# KiCad board ZIN70 Nixie Clock-rounded.kicad_pcb
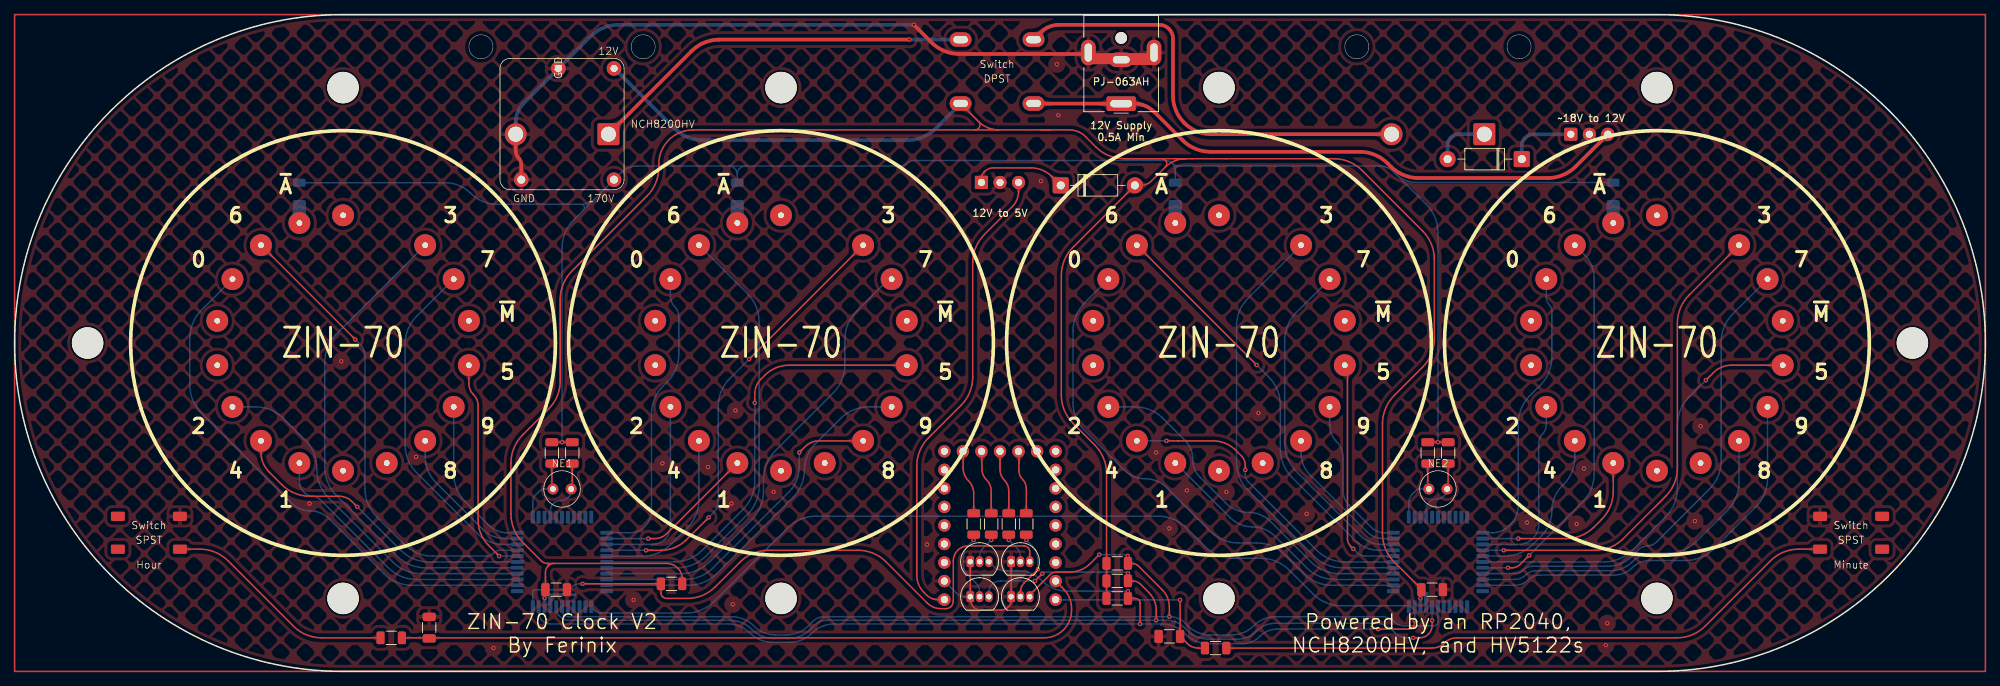
[diagram p0: board, top side]
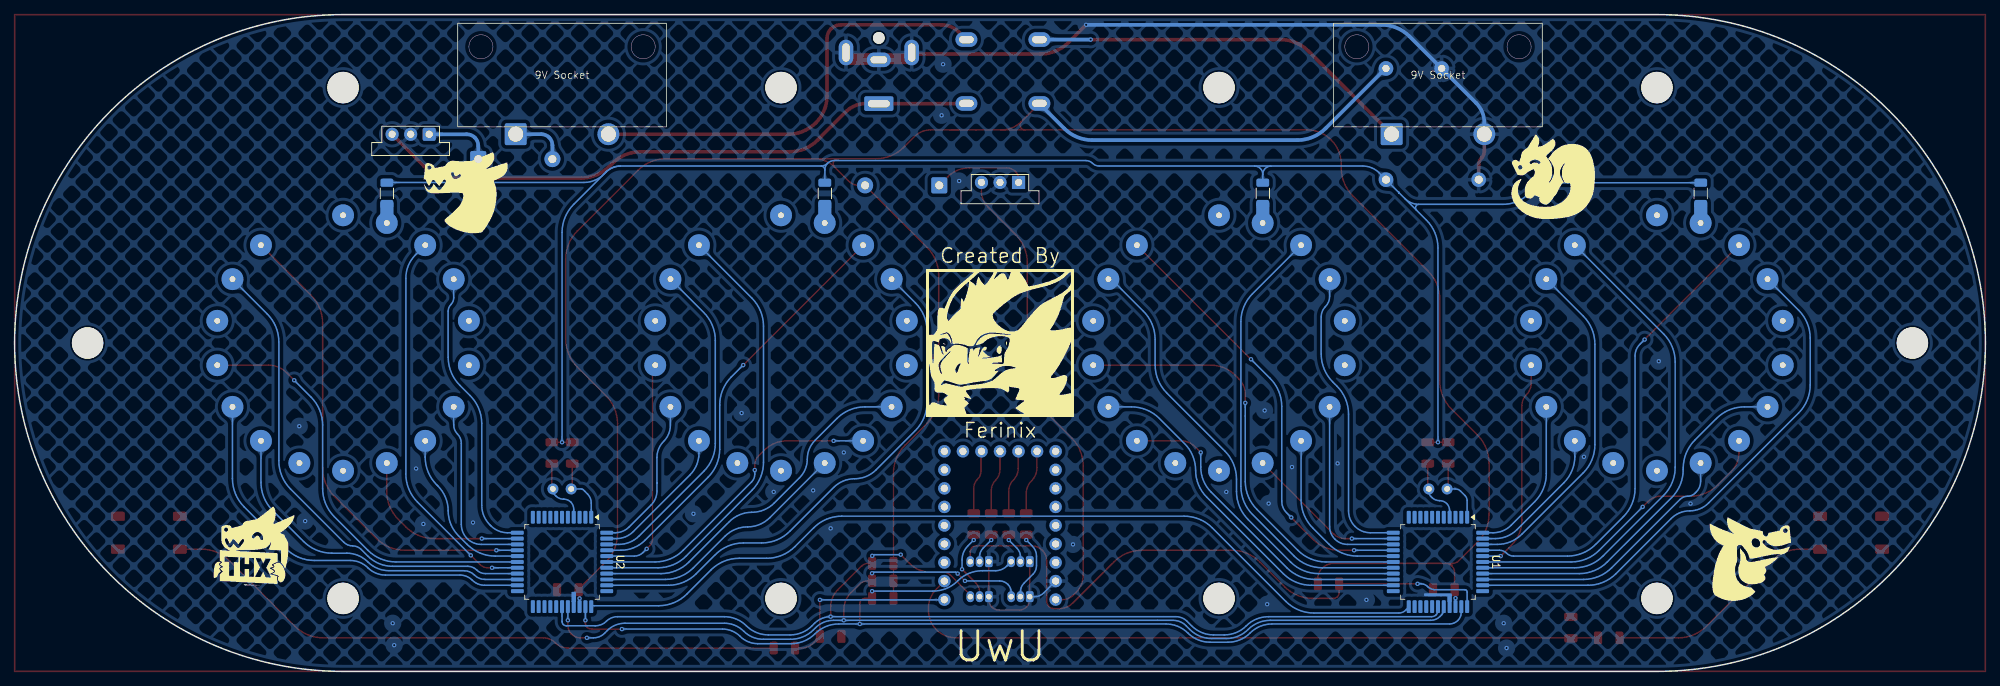
[diagram p1: board, bottom side, seen from below]

Outline 270 x 90 mm; copper layers: Top, Bottom. Coordinates in mm from the lower left corner of the outline.
Outline path: 0,45 arc(13.18,76.82) 45,90 225,90 arc(256.82,76.82) 270,45 arc(256.82,13.18) 225,0 45,0 arc(13.18,13.18) 0,45

## Placement (name value [footprint] x y rotation side)
9V Socket  -  [9V Socket Slim]  75 81.2 270 bottom
9V Socket#2  -  [9V Socket Slim]  195 81.2 270 bottom
C1  100nF  [C_1206_3216Metric]  74.2 11.2 0 top
C2  100nF  [C_1206_3216Metric]  194.2 11.2 0 top
C_DB  1uF  [C_1206_3216Metric]  158.2 4.8 180 top
C_DB#2  1uF  [C_1206_3216Metric]  56.8 6 90 top
D1  1N4007  [D_DO-41_SOD81_P10.16mm_Horizontal]  143.32 66.6 0 top
D2  1N4007  [D_DO-41_SOD81_P10.16mm_Horizontal]  206.48 70.2 180 top
G***  LOGO  [nixside]  135 45 180 bottom
G***#2  LOGO  [dragnthx]  237.65 4.85 180 bottom
G***#3  LOGO  [dragnloaf]  59.8 67.8 180 bottom
G***#4  LOGO  [dragnuwu]  209.35 65.76 180 bottom
G***#5  LOGO  [dragnthink]  31.51 15.1 180 bottom
NCH8200HV  -  [NCH8200HV Through-Hole]  75 75 270 top
NE1  NE-2  [NE-2_5mm]  75 25 0 top
NE2  NE-2  [NE-2_5mm]  195 25 0 top
NIX1  ZIN-70  [ZIN-70 Z5680M Pinout]  45 45 0 top
NIX2  ZIN-70  [ZIN-70 Z5680M Pinout]  105 45 0 top
NIX3  ZIN-70  [ZIN-70 Z5680M Pinout]  165 45 0 top
NIX4  ZIN-70  [ZIN-70 Z5680M Pinout]  225 45 0 top
PJ-063AH  -  [BarrelJack_CUI_PJ-063AH_Horizontal]  151.6 77.8 180 top
Q1  PN2222A  [TO-92_Inline]  136.53 15.04 0 top
Q2  PN2222A  [TO-92_Inline]  136.53 10.24 0 top
Q3  PN2222A  [TO-92_Inline]  130.93 10.24 0 top
Q4  PN2222A  [TO-92_Inline]  130.93 15.04 0 top
R1  6.8K  [R_1206_3216Metric]  39 65.5 270 bottom
R2  6.8K  [R_1206_3216Metric]  99 65.5 270 bottom
R3  6.8K  [R_1206_3216Metric]  159 65.5 270 bottom
R4  6.8K  [R_1206_3216Metric]  219 65.5 270 bottom
R5  200K  [R_1206_3216Metric]  73.6 29.94 90 top
R6  200K  [R_1206_3216Metric]  76.4 29.94 90 top
R7  200K  [R_1206_3216Metric]  193.6 29.94 90 top
R8  200K  [R_1206_3216Metric]  196.4 29.94 90 top
R9  1K  [R_1206_3216Metric]  151.06 10 0 top
R10  1K  [R_1206_3216Metric]  151.06 12.4 0 top
R11  1K  [R_1206_3216Metric]  151.06 14.8 0 top
R12  1K  [R_1206_3216Metric]  90 12 180 top
R13  1K  [R_1206_3216Metric]  136.2 20.2 90 top
R14  1K  [R_1206_3216Metric]  138.6 20.2 90 top
R15  1K  [R_1206_3216Metric]  131.4 20.2 90 top
R16  1K  [R_1206_3216Metric]  133.8 20.2 90 top
R_DB  1K  [R_1206_3216Metric]  164.54 3.2 0 top
R_DB#2  1K  [R_1206_3216Metric]  51.6 4.6 0 top
REF**  -  [MountingHole_4.3mm_M4]  105 80 0 top
REF**#2  -  [MountingHole_4.3mm_M4]  45 80 0 top
REF**#3  -  [MountingHole_4.3mm_M4]  260 45 0 top
REF**#4  -  [MountingHole_4.3mm_M4]  105 10 0 top
REF**#5  -  [MountingHole_4.3mm_M4]  10 45 0 top
REF**#6  -  [MountingHole_4.3mm_M4]  165 10 0 top
REF**#7  -  [MountingHole_4.3mm_M4]  165 80 0 top
REF**#8  -  [MountingHole_4.3mm_M4]  225 10 0 top
REF**#9  -  [MountingHole_4.3mm_M4]  45 10 0 top
REF**#10  -  [MountingHole_4.3mm_M4]  225 80 0 top
REF**#11  -  [RP2040-Tiny Package]  135 20 180 bottom
Switch  -  [TS04-66-85-BK-100-SMT SPST Button]  251.6 19 0 top
Switch#2  -  [DP62J12S202HQ DPDT Slide Switch]  134.6 82.2 0 top
Switch#3  -  [TS04-66-85-BK-100-SMT SPST Button]  18.4 19 0 top
U1  HV5122  [PQFP-44_10x10mm_P0.8mm]  75 15 270 bottom
U2  HV5122  [PQFP-44_10x10mm_P0.8mm]  195 15 270 bottom
U3  OKI-78SR-3.3_1.5-W36-C  [Converter_DCDC_Murata_OKI-78SR_Vertical]  132.46 67 0 bottom
U4  OKI-78SR-3.3_1.5-W36-C  [Converter_DCDC_Murata_OKI-78SR_Vertical#2]  213.2 73.6 0 bottom

## Library data of the parts
C1 C2 = -: Description: Unpolarized capacitor; ki_fp_filters: C_*
C_DB C_DB#2 = -: Description: Unpolarized capacitor
D1 D2 = -: Datasheet: http://www.vishay.com/docs/88503/1n4001.pdf; Description: 1000V 1A General Purpose Rectifier Diode, DO-41; Sim.Device: D; Sim.Pins: 1=K 2=A; ki_fp_filters: D*DO?41*
NE1 NE2 = -: Size: 5mm
Q1-Q4 = -: Datasheet: https://www.onsemi.com/pub/Collateral/PN2222-D.PDF; Description: 1A Ic, 40V Vce, NPN Transistor, General Purpose Transistor, TO-92; Sim.Device: NPN; Sim.Pins: 1=E 2=B 3=C; ki_fp_filters: TO?92*
R1-R4 R9-R16 = -: Description: Resistor; ki_fp_filters: R_*
R5-R8 = -: Description: Resistor, small symbol; ki_fp_filters: R_*
R_DB R_DB#2 = -: Description: Resistor
U3 U4 = -: Datasheet: https://power.murata.com/data/power/oki-78sr.pdf; Description: 1.5A Step-Down DC/DC-Regulator, 7-36V input, 3.3V fixed Output Voltage, LM78xx replacement, -40°C to +85°C, OKI-78SR_Vertical; ki_fp_filters: Converter*DCDC*Murata*OKI*78SR*Vertical*

## Footprints (pads in the part's own frame, mm; a bottom-side part is the same pattern mirrored in y, then rotated)
9V Socket Slim
  round 3 hole 2.06: 1(7.59,6.35)
  rrect 3x3 hole 2.06: 2(7.59,-6.35)
BarrelJack_CUI_PJ-063AH_Horizontal
  round 1.6 hole 1.6 unplated: (0,-9)
  rrect 4x2 hole 3x1: 1(0,0)
  oval 3.3x2 hole 2.3x1: 2(0,-6)
  oval 2x3.5 hole 1x2.5: MP(-4.5,-7) MP(4.5,-7)
C_1206_3216Metric
  rrect 1.15x1.8 smd: 1(-1.475,0) 2(1.475,0)
Converter_DCDC_Murata_OKI-78SR_Vertical
  rect 1.8x1.8 hole 1: 1(0,0)
  round 1.8 hole 1: 2(2.54,0) 3(5.08,0)
Converter_DCDC_Murata_OKI-78SR_Vertical#2
  rrect 1.8x1.8 hole 1: 1(0,0)
  round 1.8 hole 1: 2(2.54,0) 3(5.08,0)
D_DO-41_SOD81_P10.16mm_Horizontal
  rrect 2.2x2.2 hole 1.1: 1(0,0)
  round 2.2 hole 1.1: 2(10.16,0)
DP62J12S202HQ DPDT Slide Switch
  oval 3x2 hole 2x1: 1(-5,-4.375) 2(5,-4.375) 3(-5,4.375) 4(5,4.375)
MountingHole_4.3mm_M4
  round 4.3 hole 4.3 unplated: (0,0)
NCH8200HV Through-Hole
  round 2 hole 1: 1(-7.62,7.12) 3(-7.62,-0.5)
  round 2 hole 1.1: 2(7.62,7.12) 4(7.62,-5.58)
NE-2_5mm
  round 1.5 hole 0.8: 1(-1.25,0) 2(1.25,0)
PQFP-44_10x10mm_P0.8mm
  rrect 1.75x0.55 smd: 1(-6.125,4) 2(-6.125,3.2) 3(-6.125,2.4) 4(-6.125,1.6) 5(-6.125,0.8) 6(-6.125,0) 7(-6.125,-0.8) 8(-6.125,-1.6) 9(-6.125,-2.4) 10(-6.125,-3.2) 11(-6.125,-4) 23(6.125,-4) 24(6.125,-3.2) 25(6.125,-2.4) 26(6.125,-1.6) 27(6.125,-0.8) 28(6.125,0) 29(6.125,0.8) 30(6.125,1.6) 31(6.125,2.4) 32(6.125,3.2) 33(6.125,4)
  rrect 0.55x1.75 smd: 12(-4,-6.125) 13(-3.2,-6.125) 14(-2.4,-6.125) 15(-1.6,-6.125) 16(-0.8,-6.125) 17(0,-6.125) 18(0.8,-6.125) 19(1.6,-6.125) 20(2.4,-6.125) 21(3.2,-6.125) 22(4,-6.125) 34(4,6.125) 35(3.2,6.125) 36(2.4,6.125) 37(1.6,6.125) 38(0.8,6.125) 39(0,6.125) 40(-0.8,6.125) 41(-1.6,6.125) 42(-2.4,6.125) 43(-3.2,6.125) 44(-4,6.125)
R_1206_3216Metric
  rrect 1.125x1.75 smd: 1(-1.462,0) 2(1.462,0)
RP2040-Tiny Package
  round 1.7 hole 1: 0(-7.62,-10.16) 1(-7.62,-7.62) 2(-7.62,-5.08) 3(-7.62,-2.54) 3V3(7.62,-5.08) 4(-7.62,0) 5(-7.62,2.54) 5V(7.62,-10.16) 6(-7.62,5.08) 7(-7.62,7.62) 8(-7.62,10.16) 9(-5.08,10.16) 10(-2.54,10.16) 11(0,10.16) 12(2.54,10.16) 13(5.08,10.16) 14(7.62,10.16) 15(7.62,7.62) 26(7.62,5.08) 27(7.62,2.54) 28(7.62,0) 29(7.62,-2.54) GND(7.62,-7.62)
TO-92_Inline
  rrect 1.05x1.5 hole 0.75: 1(0,0)
  oval 1.05x1.5 hole 0.75: 2(1.27,0) 3(2.54,0)
TS04-66-85-BK-100-SMT SPST Button
  rrect 1.905x1.27 smd: 1(-4.25,2.25) 2(-4.25,-2.25) 3(4.25,2.25) 4(4.25,-2.25)
ZIN-70 Z5680M Pinout
  round 3 hole 0.8: 1(0,17.5) 2(-5.985,16.445) 3(-11.249,13.406) 4(-15.155,8.75) 5(-17.234,3.039) 6(-17.234,-3.039) 7(-15.155,-8.75) 8(-11.249,-13.406) 9(-5.985,-16.445) 10(0,-17.5) 11(5.985,-16.445) 12(11.249,-13.406) 13(15.155,-8.75) 14(17.234,-3.039) 15(17.234,3.039) 16(15.155,8.75) 17(11.249,13.406)

## Nets
+3.3V: REF**#11.3V3
+5V: REF**#11.5V U3.3
+12V: C1.1 C2.1 D1.2 NCH8200HV.1 PJ-063AH.1 R9.1 R10.1 R11.1 R12.1 Switch#2.1 Switch#2.2 U1.31 U2.31 U4.3
+18V: 9V Socket.2 9V Socket#2.1 9V Socket#2.2 D2.2 Switch#2.3 Switch#2.4
+170V: NCH8200HV.2 R1.1 R2.1 R3.1 R4.1 R5.2 R6.2 R7.2 R8.2
GND: 9V Socket.1 C1.2 C2.2 C_DB.2 C_DB#2.2 NCH8200HV.3 NCH8200HV.4 PJ-063AH.2 PJ-063AH.MP Q1.1 Q2.1 Q3.1 Q4.1 REF**#11.GND Switch.1 Switch#3.3 U1.30 U2.30 U3.2 U4.2
CLK: R15.2 REF**#11.13
DIN: R13.2 REF**#11.11
EN: R14.2 REF**#11.10
STR: R16.2 REF**#11.12
Net-(D1-K): D1.1 U3.1
Net-(D2-K): D2.1 U4.1
Net-(NIX1-0): NIX1.4 U1.35
Net-(NIX1-1): NIX1.9 U1.36
Net-(NIX1-2): NIX1.7 U1.37
Net-(NIX1-3): NIX1.17 U1.38
Net-(NIX1-4): NIX1.8 U1.39
Net-(NIX1-5): NIX1.14 U1.40
Net-(NIX1-6): NIX1.3 U1.41
Net-(NIX1-7): NIX1.16 U1.42
Net-(NIX1-8): NIX1.12 U1.43
Net-(NIX1-9): NIX1.13 U1.44
Net-(NIX1-~{A}): NIX1.2 R1.2
Net-(NIX2-0): NIX2.4 U1.12
Net-(NIX2-1): NIX2.9 U1.13
Net-(NIX2-2): NIX2.7 U1.14
Net-(NIX2-3): NIX2.17 U1.15
Net-(NIX2-4): NIX2.8 U1.16
Net-(NIX2-5): NIX2.14 U1.17
Net-(NIX2-6): NIX2.3 U1.18
Net-(NIX2-7): NIX2.16 U1.19
Net-(NIX2-8): NIX2.12 U1.20
Net-(NIX2-9): NIX2.13 U1.21
Net-(NIX2-~{A}): NIX2.2 R2.2
Net-(NIX3-0): NIX3.4 U2.35
Net-(NIX3-1): NIX3.9 U2.36
Net-(NIX3-2): NIX3.7 U2.37
Net-(NIX3-3): NIX3.17 U2.38
Net-(NIX3-4): NIX3.8 U2.39
Net-(NIX3-5): NIX3.14 U2.40
Net-(NIX3-6): NIX3.3 U2.41
Net-(NIX3-7): NIX3.16 U2.42
Net-(NIX3-8): NIX3.12 U2.43
Net-(NIX3-9): NIX3.13 U2.44
Net-(NIX3-~{A}): NIX3.2 R3.2
Net-(NIX4-0): NIX4.4 U2.12
Net-(NIX4-1): NIX4.9 U2.13
Net-(NIX4-2): NIX4.7 U2.14
Net-(NIX4-3): NIX4.17 U2.15
Net-(NIX4-4): NIX4.8 U2.16
Net-(NIX4-5): NIX4.14 U2.17
Net-(NIX4-6): NIX4.3 U2.18
Net-(NIX4-7): NIX4.16 U2.19
Net-(NIX4-8): NIX4.12 U2.20
Net-(NIX4-9): NIX4.13 U2.21
Net-(NIX4-~{A}): NIX4.2 R4.2
Net-(Q1-B): Q1.2 R13.1
Net-(Q1-C): Q1.3 R12.2 U1.33
Net-(Q2-B): Q2.2 R14.1
Net-(Q2-C): Q2.3 R11.2 U1.28 U2.28
Net-(Q3-B): Q3.2 R15.1
Net-(Q3-C): Q3.3 R10.2 U1.29 U2.29
Net-(Q4-B): Q4.2 R16.1
Net-(Q4-C): Q4.3 R9.2 U1.32 U2.32
Net-(U1-DATAOUT): U1.23 U2.33
Net-(U1-HV11): R5.1 U1.1
Net-(U1-HV14): R6.1 U1.4
Net-(U2-HV11): R7.1 U2.1
Net-(U2-HV14): R8.1 U2.4

Pads without a net: C_DB 1; C_DB#2 1; NE1 1 2; NE2 1 2; NIX1 1 5 6 10 11 15; NIX2 1 5 6 10 11 15; NIX3 1 5 6 10 11 15; NIX4 1 5 6 10 11 15; R_DB 1 2; R_DB#2 1 2; REF**#11 0 1 2 3 4 5 6 7 8 9 14 15 26 27 28 29; Switch 2 3 4; Switch#3 1 2 4; U1 2 3 5 6 7 8 9 10 11 22 24 25 26 27 34; U2 2 3 5 6 7 8 9 10 11 22 23 24 25 26 27 34

## Via types
v1: diameter 0.6, hole 0.3, Top to Bottom, 74 vias

## Routing (per net, layer and track width the routed paths; a pad name or vN(x,y) marks a point on that pad's centre or on a via; arc(x,y) is an arc through that point)
+5V: length 64.7
  Top w0.2: 127.4,9.8 127.2,10 ; 137.54,66.94 137.54,65.74 arc(137.32,64.63) 136.69,63.69 132.85,59.85 arc(131.67,58.09) 131.26,56.01 131.26,40.31 arc(130.85,38.23) 129.67,36.47 125.19,31.99 arc(124.01,30.23) 123.6,28.15 123.6,13.19 arc(123.85,11.91) 124.58,10.82 124.92,10.48 arc(125.63,10.01) 126.47,9.84 REF**#11.5V
+12V: length 479.2
  Top w0.2: 157.18,70.25 152,70.25 arc(149.92,70.66) 148.16,71.84 146.72,73.28 arc(145.7,73.96) 144.5,74.2 134.82,74.2 ; 157.18,70.25 160.42,70.25 ; 157.18,70.25 arc(157.8,69.84) 157.65,69.1 ; 160.42,70.25 165.94,70.25 180.75,70.25 arc(182.83,69.84) 184.59,68.66 192.91,60.34 arc(194.09,58.58) 194.5,56.5 194.5,45.55 arc(194.09,43.47) 192.91,41.71 188.99,37.79 arc(187.81,36.03) 187.4,33.95 187.4,18.85 arc(187.81,16.77) 188.99,15.01 192.6,11.4 v1(192.6,10) ; 160.42,70.25 arc(158.92,69.95) 157.65,69.1 ; 73.92,14.8 89.31,14.8 arc(90.13,14.64) 90.83,14.17 90.92,14.08 arc(91.32,13.48) 91.46,12.77 R12.1 ; 73.92,14.8 72.97,14.8 ; 73.92,14.8 arc(73.49,14.71) 73.11,14.46 ; 149.6,14.9 149.6,14.7 ; 149.6,14.9 149.6,27.15 arc(149.18,29.23) 148.01,30.99 144.99,34.01 arc(143.81,35.77) 143.4,37.85 143.4,54.27 arc(143.81,56.35) 144.99,58.11 152.89,66.01 arc(153.54,66.45) 154.31,66.6 arc(155.09,66.75) 155.74,67.19 157.65,69.1 ; 149.6,14.9 arc(149.57,14.83) 149.5,14.8 ; 149.6,14.7 R10.1 R9.1 ; 149.6,14.7 arc(149.57,14.77) 149.5,14.8 ; 141.76,74.2 140.6,74.2 ; 72.97,14.8 arc(72.54,14.89) 72.16,15.14 69.59,17.71 arc(68.41,19.47) 68,21.55 68,28.55 arc(68.41,30.63) 69.59,32.39 73.16,35.96 arc(74.34,37.72) 74.75,39.8 74.75,51 arc(75.16,53.08) 76.34,54.84 86.66,65.16 arc(87.84,66.92) 88.25,69 88.25,69.51 arc(88.61,71.3) 89.62,72.82 arc(91.15,73.84) 92.94,74.2 131.58,74.2 ; 72.97,14.8 arc(73.16,14.68) 73.11,14.46 ; 134.82,74.2 131.58,74.2 ; 134.82,74.2 arc(133.32,74.5) 132.05,75.35 ; 131.58,74.2 arc(132.2,74.61) 132.05,75.35 ; 73.11,14.46 73.09,14.44 arc(72.82,14.04) 72.72,13.56 72.72,11.29 arc(72.71,11.21) 72.66,11.14 arc(72.62,11.07) 72.6,10.99 v1(72.6,10.04) ; 149.5,14.8 149.4,14.8 ; 132.05,75.35 130.2,77.2 ; 192.6,11.07 C2.1
  Top w0.5: U4.3 213.87,69.19 arc(212.11,68.01) 210.03,67.6 192.37,67.6 arc(190.29,68.01) 188.53,69.19 188.11,69.61 arc(186.35,70.79) 184.27,71.2 163.85,71.2 arc(161.77,71.61) 160.01,72.79 156.16,76.64 arc(154.85,77.52) 153.3,77.83 151.64,77.83 arc(151.63,77.82) 151.61,77.81 arc(151.6,77.8) 151.58,77.8 139.64,77.8 arc(139.63,77.8) 139.61,77.81 Switch#2.2
  Bottom w0.2: v1(192.6,10) U2.31 ; v1(72.6,10.04) U1.31
  Bottom w0.5: 82.18,82.62 90.41,74.39 arc(92.17,73.21) 94.25,72.8 122.35,72.8 arc(124.43,73.21) 126.19,74.39 129.6,77.8
+18V: length 123
  Top w0.5: 9V Socket.2 92.72,84.98 arc(94.49,86.16) 96.57,86.58 v1(122.57,86.58) ; Switch#2.4 140.61,87.59 arc(141.73,88.34) 143.06,88.6 156.82,88.6 arc(157.54,88.46) 158.15,88.05 arc(158.56,87.44) 158.7,86.72 158.7,78.88 arc(159.1,76.87) 160.25,75.16 arc(161.96,74.01) 163.97,73.61 9V Socket#2.1 ; 86.27,78.63 86.27,78.53
  Bottom w0.2: 201.38,73.58 201.36,73.6 arc(201.35,73.61) 201.33,73.61
  Bottom w0.5: v1(122.57,86.58) Switch#2.3 ; D2.2 196.32,72.09 arc(196.44,72.67) 196.76,73.17 arc(197.26,73.49) 197.84,73.61 201.33,73.61
+170V: length 275.4
  Top w0.2: R5.2 v1(75,31.4) R6.2 ; R7.2 v1(195,31.4) R8.2
  Bottom w0.2: v1(195,31.4) 195,60.15 arc(194.59,62.23) 193.41,63.99 188.98,68.42 ; 100.14,69.25 121.42,69.25 arc(121.91,69.35) 122.32,69.63 arc(122.74,69.9) 123.23,70 157.72,70 arc(158.21,69.9) 158.63,69.63 ; 100.14,69.25 97.86,69.25 ; 100.14,69.25 arc(99.34,68.92) 99,68.11 ; 77.61,64 66.09,64 arc(64.16,64.38) 62.52,65.48 arc(60.88,66.58) 58.94,66.96 R1.1 ; 77.61,64 arc(78.04,63.71) 77.94,63.2 ; 77.61,64 arc(78.65,64.21) 79.54,64.8 ; 80.33,65.59 NCH8200HV.2 83.06,68.32 arc(84.09,69.01) 85.31,69.25 97.86,69.25 ; 80.33,65.59 79.54,64.8 ; 80.33,65.59 80.39,65.65 ; 79.54,64.8 77.94,63.2 ; 77.94,63.2 76.59,61.85 arc(75.41,60.09) 75,58.01 v1(75,31.4) ; 159.53,69.25 186.98,69.25 ; 159.53,69.25 arc(159.16,69.09) 159,68.72 ; 159.53,69.25 arc(159.04,69.35) 158.63,69.63 ; 186.98,69.25 arc(188.06,69.03) 188.98,68.42 ; 186.98,69.25 arc(188.06,69.03) 188.98,68.42 ; 97.86,69.25 arc(98.67,68.92) 99,68.11 ; 188.98,68.42 189.27,68.13 arc(190.52,67.29) 191.99,67 218.94,67 arc(218.96,67) 218.98,66.98 R4.1 ; 99,68.11 R2.1 ; 159,68.72 R3.1 ; 159,68.72 arc(158.9,69.21) 158.63,69.63
GND: length 116.1
  Top w0.2: Q4.1 130.93,10.29 arc(130.94,10.24) 130.97,10.21 arc(130.99,10.17) 131,10.12 131,9.69 arc(131.09,9.24) 131.34,8.86 131.4,8.8 arc(131.84,8.5) 132.37,8.4 135.11,8.4 arc(135.66,8.51) 136.12,8.81 136.17,8.87 arc(136.44,9.27) 136.53,9.74 Q1.1
  Top w0.5: PJ-063AH.MP 147,84.7 arc(146.89,84.63) 146.76,84.6 129.45,84.6 arc(127.37,85.01) 125.61,86.19 v1(123.2,88.6) ; NCH8200HV.4 69.42,69.44 arc(69.32,69.94) 69.03,70.36 arc(68.75,70.79) 68.65,71.29 9V Socket.1
  Bottom w0.2: REF**#11.GND 129.02,10.74 arc(129.57,10.37) 130.22,10.24 Q3.1
  Bottom w0.5: 9V Socket.1 68.65,75.19 arc(68.94,76.65) 69.77,77.89 NCH8200HV.3 78.89,87.01 arc(80.65,88.19) 82.73,88.6 v1(123.2,88.6)
  vias: v1(40.4,23) v1(44.75,42.5) v1(55,29.4) v1(65.6,3.2) v1(66,6.6) v1(84.8,9.8) v1(88.75,28.5) v1(95,28) v1(98.2,23) v1(98.4,9.2) v1(98.75,35.75) v1(104,24.6) v1(125,17.4) v1(140.6,67.2) v1(142.8,83.2) v1(143,76.2) v1(156.4,30) v1(158.2,19.6) v1(160.6,24.8) v1(166,24.6) v1(170.4,35.4) v1(177,21.6) v1(207.2,20.4) v1(214,20.2) v1(215,27.8) v1(218,3.6) v1(218.2,6.6) v1(230.2,20.6) v1(231,33.6)
(no net): length 118.3
  Top w0.2: R_DB.2 194.21,3.2 arc(195.12,3.38) 195.9,3.9 arc(196.68,4.42) 197.59,4.6 227.75,4.6 arc(229.83,5.01) 231.59,6.19 240.56,15.16 arc(242.32,16.34) 244.4,16.75 Switch.2 ; Switch#3.4 25.4,16.75 arc(27.48,16.34) 29.24,15.16 38.21,6.19 arc(39.97,5.01) 42.05,4.6 R_DB#2.1
CLK: length 8.9
  Top w0.2: R15.2 131.4,24.37 arc(131.21,25.32) 130.67,26.13 arc(130.14,26.93) 129.95,27.88 129.95,30.21
DIN: length 8.9
  Top w0.2: 135,30.2 135,27.65 arc(135.16,26.86) 135.6,26.2 arc(136.04,25.54) 136.2,24.75 R13.2
EN: length 8.8
  Top w0.2: R14.2 138.6,25.09 arc(138.47,25.75) 138.1,26.3 arc(137.73,26.85) 137.6,27.51 137.6,30.2
STR: length 8.8
  Top w0.2: R16.2 133.8,24.69 arc(133.63,25.53) 133.16,26.24 arc(132.68,26.96) 132.51,27.8 132.51,30.13
Net-(D1-K): length 13
  Top w0.2: U3.1 132.46,67.53 arc(132.56,68.02) 132.83,68.43 132.93,68.53 arc(133.45,68.88) 134.06,69 139.22,69 arc(140.79,68.69) 142.12,67.8 D1.1
Net-(D2-K): length 9.5
  Bottom w0.5: D2.1 206.48,72.03 arc(206.6,72.63) 206.94,73.14 arc(207.45,73.48) 208.05,73.6 213.19,73.6 arc(213.19,73.6) 213.19,73.59 213.19,73.58
Net-(NIX1-0): length 73.5
  Bottom w0.2: U1.35 54.45,11.8 arc(52.37,12.21) 50.61,13.39 43.06,20.94 arc(41.89,21.72) 40.5,22 arc(39.11,22.28) 37.94,23.06 25.59,35.41 arc(24.41,37.17) 24,39.25 24,45.65 arc(24.41,47.73) 25.59,49.5 NIX1.4
Net-(NIX1-1): length 38
  Bottom w0.2: U1.36 55.05,12.6 arc(52.97,13.01) 51.21,14.19 41.82,23.58 arc(41.35,23.89) 40.8,24 arc(40.25,24.11) 39.78,24.42 39.61,24.59 arc(39.17,25.25) 39.01,26.02 NIX1.9
Net-(NIX1-2): length 50.3
  Bottom w0.2: U1.37 55.65,13.4 arc(53.57,13.81) 51.81,14.99 42.99,23.81 arc(41.81,25.57) 41.4,27.65 41.4,27.85 arc(40.99,29.93) 39.81,31.69 36.84,34.66 arc(35.08,35.84) 33,36.25 NIX1.7
Net-(NIX1-3): length 68.8
  Bottom w0.2: NIX1.17 44.09,46.25 arc(42.91,44.49) 42.5,42.4 42.5,27.95 arc(42.91,25.87) 44.09,24.11 52.41,15.79 arc(54.17,14.61) 56.25,14.2 U1.38
Net-(NIX1-4): length 43.1
  Top w0.2: NIX1.8 33.75,30.02 arc(34.04,28.57) 34.86,27.34 36.61,25.59 arc(38.37,24.41) 40.45,24 44.47,24 arc(45.42,23.81) 46.22,23.28 v1(46.95,22.55)
  Bottom w0.2: v1(46.95,22.55) 52.91,16.59 arc(54.67,15.41) 56.75,15 U1.39
Net-(NIX1-5): length 30
  Top w0.2: NIX1.14 62.23,39.46 arc(62.4,38.63) 62.87,37.93 arc(63.34,37.23) 63.5,36.4 63.5,20.75 arc(63.88,18.86) 64.95,17.25 v1(66.4,15.8)
  Bottom w0.2: v1(66.4,15.8) U1.40
Net-(NIX1-6): length 64.9
  Top w0.2: v1(46.68,45.48) NIX1.3
  Bottom w0.2: v1(46.68,45.48) 47.34,44.82 arc(47.83,44.09) 48,43.22 48,25.05 arc(48.41,22.97) 49.59,21.21 53.41,17.39 arc(55.17,16.21) 57.25,15.8 64.63,15.8 arc(65.16,15.9) 65.6,16.2 arc(66.04,16.5) 66.57,16.6 U1.41
Net-(NIX1-7): length 47.1
  Bottom w0.2: NIX1.16 55.09,48.69 arc(53.91,46.92) 53.5,44.84 53.5,31.05 arc(53.91,28.97) 55.09,27.21 63.49,18.81 arc(65.05,17.77) 66.89,17.4 U1.42
Net-(NIX1-8): length 20.3
  Bottom w0.2: NIX1.12 56.25,29.47 arc(56.64,27.51) 57.75,25.85 64.17,19.43 arc(65.53,18.52) 67.14,18.2 U1.43
Net-(NIX1-9): length 22.4
  Bottom w0.2: 60,36.09 NIX1.13 60.16,27.1 arc(60.57,25.02) 61.75,23.25 64.98,20.02 arc(66.11,19.26) 67.44,19 U1.44
Net-(NIX1-~{A}): length 0
  Bottom w0.2: NIX1.2 39,61.46
Net-(NIX2-0): length 41
  Bottom w0.2: U1.12 84.26,19 arc(85.41,19.23) 86.37,19.88 arc(87.02,20.84) 87.25,21.99 87.25,35.25 arc(87.66,37.33) 88.84,39.09 89.41,39.66 arc(90.59,41.42) 91,43.5 91,48.58 arc(90.85,49.34) 90.42,49.98 arc(89.99,50.62) 89.84,51.37 NIX2.4
Net-(NIX2-1): length 22.1
  Top w0.2: v1(86.8,18.2) 87.73,18.2 arc(88.59,18.37) 89.32,18.86 NIX2.9
  Bottom w0.2: v1(86.8,18.2) U1.13
Net-(NIX2-2): length 26.5
  Bottom w0.2: NIX2.7 89.84,19.87 arc(89.66,18.92) 89.12,18.12 arc(88.32,17.59) 87.38,17.4 U1.14
Net-(NIX2-3): length 61.4
  Top w0.2: v1(86.5,16.6) 88.55,16.6 arc(90.44,16.98) 92.05,18.05 v1(95.1,21.1) ; v1(100.62,42.78) NIX2.17
  Bottom w0.2: v1(86.5,16.6) U1.15 ; v1(100.62,42.78) 97.99,40.15 arc(96.81,38.39) 96.4,36.3 96.4,23.32 arc(96.23,22.47) 95.75,21.75 v1(95.1,21.1)
Net-(NIX2-4): length 24.8
  Bottom w0.2: NIX2.8 93.75,23.51 arc(93.34,21.42) 92.16,19.66 89.89,17.39 arc(88.13,16.21) 86.05,15.8 U1.16
Net-(NIX2-5): length 60.5
  Top w0.2: NIX2.14 106.11,41.96 arc(104.31,41.6) 102.78,40.58 102.25,40.05 arc(101.62,39.11) 101.4,38 v1(101.4,36.8)
  Bottom w0.2: U1.17 90.35,15 arc(92.43,15.41) 94.19,16.59 99.81,22.21 arc(100.99,23.97) 101.4,26.05 101.4,36.2 v1(101.4,36.8)
Net-(NIX2-6): length 62.6
  Bottom w0.2: NIX2.3 100.41,51.75 arc(101.59,49.99) 102,47.9 102,25.35 arc(101.59,23.27) 100.41,21.51 94.69,15.79 arc(92.93,14.61) 90.85,14.2 U1.18
Net-(NIX2-7): length 62.9
  Bottom w0.2: U1.19 91.35,13.4 arc(93.43,13.81) 95.19,14.99 101.01,20.81 arc(102.19,22.57) 102.6,24.65 102.6,26.35 arc(103.01,28.43) 104.19,30.19 112.16,38.16 arc(113.34,39.92) 113.75,42 113.75,45.5 arc(114.16,47.58) 115.34,49.34 119.61,53.61 arc(119.77,53.71) 119.95,53.75 NIX2.16
Net-(NIX2-8): length 44.8
  Top w0.2: NIX2.12 110.22,31.59 arc(109.18,31.39) 108.3,30.8 v1(107.5,30)
  Bottom w0.2: v1(107.5,30) 107.5,28 arc(107.13,26.15) 106.09,24.59 95.69,14.19 arc(93.93,13.01) 91.85,12.6 U1.20
Net-(NIX2-9): length 50.8
  Bottom w0.2: NIX2.13 117,36.25 arc(114.92,35.84) 113.16,34.66 109.72,31.22 arc(108.6,29.54) 108.2,27.55 arc(107.8,25.56) 106.68,23.88 96.19,13.39 arc(94.43,12.21) 92.35,11.8 U1.21
Net-(NIX2-~{A}): length 0
  Bottom w0.2: 99,61.46 NIX2.2
Net-(NIX3-0): length 73
  Bottom w0.2: U2.35 180.45,11.8 arc(178.37,12.21) 176.61,13.39 173.99,16.01 arc(172.23,17.19) 170.15,17.6 167.65,17.6 arc(165.57,18.01) 163.81,19.19 157.8,25.2 arc(156.47,26.09) 154.9,26.4 arc(153.33,26.71) 152,27.6 146.59,33.01 arc(145.41,34.77) 145,36.85 145,46.65 arc(145.41,48.73) 146.59,50.5 NIX3.4
Net-(NIX3-1): length 35.8
  Bottom w0.2: U2.36 180.85,12.6 arc(178.77,13.01) 177.01,14.19 172.67,18.53 arc(171.26,19.47) 169.6,19.8 arc(167.94,20.13) 166.53,21.07 159.04,28.56
Net-(NIX3-2): length 49.1
  Bottom w0.2: v1(149.84,36.25) 153.5,36.25 arc(155.58,35.84) 157.34,34.66 160.34,31.66 arc(161.12,30.49) 161.4,29.1 arc(161.68,27.71) 162.46,26.54 165.93,23.07 arc(167.34,22.13) 169,21.8 arc(170.66,21.47) 172.07,20.53 177.61,14.99 arc(179.37,13.81) 181.45,13.4 U2.37
Net-(NIX3-3): length 61.5
  Bottom w0.2: U2.38 181.85,14.2 arc(179.77,14.61) 178.01,15.79 168.99,24.81 arc(167.81,26.57) 167.4,28.65 167.4,47.3 arc(167.81,49.39) 168.99,51.15 NIX3.17
Net-(NIX3-4): length 43
  Top w0.2: v1(168.6,27.6) 168.6,28.3 arc(168.47,28.95) 168.11,29.49 167.3,30.3 arc(165.87,31.26) 164.17,31.59 v1(157.8,31.59)
  Bottom w0.2: v1(157.8,31.59) NIX3.8 ; v1(168.6,27.6) 168.6,27 arc(168.71,26.45) 169.02,25.98 178.41,16.59 arc(180.17,15.41) 182.25,15 U2.39
Net-(NIX3-5): length 31.9
  Top w0.2: NIX3.14 182.42,41.78 arc(182.55,41.58) 182.6,41.34 182.6,18.17 arc(182.7,17.64) 183,17.2 v1(183.4,16.8)
  Bottom w0.2: v1(183.4,16.8) 183.9,16.3 arc(184.45,15.93) 185.11,15.8 U2.40 ; 182.6,41.6 NIX3.14
Net-(NIX3-6): length 58
  Top w0.2: v1(170.18,41.98) NIX3.3
  Bottom w0.2: v1(170.18,41.98) 171.81,40.35 arc(172.99,38.59) 173.4,36.5 173.4,30.45 arc(173.81,28.37) 174.99,26.61 183.63,17.97 arc(185.15,16.96) 186.94,16.6 U2.41
Net-(NIX3-7): length 46.3
  Bottom w0.2: U2.42 187.24,17.4 arc(185.72,17.7) 184.44,18.56 175.59,27.41 arc(174.41,29.17) 174,31.25 174,45.34 arc(174.41,47.42) 175.59,49.19 NIX3.16
Net-(NIX3-8): length 19.9
  Bottom w0.2: U2.43 187.54,18.2 arc(186.3,18.45) 185.25,19.15 177.47,26.93 arc(176.57,28.28) 176.25,29.87 NIX3.12
Net-(NIX3-9): length 21.7
  Bottom w0.2: NIX3.13 180.16,33.75 arc(180.4,32.54) 181.08,31.52 arc(181.76,30.5) 182,29.29 182,25.85 182,24.73 arc(182.21,23.69) 182.8,22.8 185.8,19.8 arc(186.69,19.21) 187.74,19 U2.44
Net-(NIX4-0): length 39.7
  Bottom w0.2: U2.12 202.46,19 arc(203.7,19.25) 204.75,19.95 204.9,20.1 arc(205.71,21.32) 206,22.76 206,33.95 arc(206.41,36.03) 207.59,37.79 209.01,39.21 arc(210.19,40.97) 210.6,43.05 210.6,49.36 arc(210.5,49.86) 210.22,50.28 arc(209.94,50.69) 209.84,51.19 NIX4.4
Net-(NIX4-1): length 25.6
  Top w0.2: NIX4.9 219.01,24.67 arc(218.6,22.59) 217.42,20.82 216.39,19.79 arc(214.63,18.61) 212.55,18.2 v1(206,18.2)
  Bottom w0.2: 218.8,28.34 NIX4.9 ; v1(206,18.2) U2.13
Net-(NIX4-2): length 25.6
  Bottom w0.2: NIX4.7 209.84,33.78 arc(209.71,33.1) 209.32,32.52 arc(208.94,31.94) 208.8,31.26 208.8,20.13 arc(208.59,19.09) 208,18.2 arc(207.11,17.61) 206.07,17.4 U2.14
Net-(NIX4-3): length 66
  Top w0.2: NIX4.17 229.39,51.55 arc(228.21,49.79) 227.8,47.7 227.8,27.85 arc(227.39,25.77) 226.21,24.01 220.39,18.19 arc(218.63,17.01) 216.55,16.6 v1(204,16.6)
  Bottom w0.2: v1(204,16.6) U2.15
Net-(NIX4-4): length 23.2
  Bottom w0.2: U2.16 204.15,15.8 arc(206.23,16.21) 207.99,17.39 209.19,18.59 arc(210.23,20.15) 210.6,22 arc(210.97,23.85) 212.01,25.41 212.18,25.58 arc(213.34,27.32) 213.75,29.37 NIX4.8
Net-(NIX4-5): length 59.2
  Top w0.2: NIX4.14 235.22,41.96 arc(233.87,41.69) 232.73,40.93 v1(231.7,39.9)
  Bottom w0.2: U2.17 217.75,15 arc(219.83,15.41) 221.59,16.59 226.21,21.21 arc(227.39,22.97) 227.8,25.05 227.8,33.75 arc(228.21,35.83) 229.39,37.59 v1(231.7,39.9)
Net-(NIX4-6): length 53.9
  Top w0.2: v1(204.6,14.2) 205.2,14.2 arc(205.75,14.31) 206.22,14.62 v1(207.5,15.9)
  Bottom w0.2: v1(207.5,15.9) 214.81,23.21 arc(215.99,24.97) 216.4,27.05 216.4,53.88 arc(216.06,55.61) 215.08,57.08 NIX4.3 ; v1(204.6,14.2) U2.18
Net-(NIX4-7): length 67
  Bottom w0.2: U2.19 205.49,13.4 arc(206.15,13.53) 206.7,13.9 arc(207.25,14.27) 207.91,14.4 218.22,14.4 arc(220.05,14.76) 221.6,15.8 222.51,16.71 arc(223.05,17.07) 223.7,17.2 arc(224.35,17.33) 224.89,17.69 232.21,25.01 arc(233.39,26.77) 233.8,28.85 233.8,45.14 arc(234.21,47.22) 235.39,48.99 NIX4.16
Net-(NIX4-8): length 46.6
  Bottom w0.2: U2.20 205.55,12.6 arc(206.34,12.76) 207,13.2 arc(207.66,13.64) 208.45,13.8 218.7,13.8 arc(220.27,14.11) 221.6,15 arc(222.93,15.89) 224.5,16.2 226.55,16.2 arc(228.63,16.61) 230.39,17.79 234.66,22.05 arc(235.83,23.82) 236.25,25.9 NIX4.12
Net-(NIX4-9): length 55.3
  Bottom w0.2: U2.21 205.61,11.8 arc(206.52,11.98) 207.3,12.5 arc(208.08,13.02) 208.99,13.2 219.19,13.2 arc(220.49,13.46) 221.6,14.2 arc(222.71,14.94) 224.01,15.2 228.95,15.2 arc(231.03,15.61) 232.79,16.79 238.56,22.56 arc(239.74,24.33) 240.16,26.41 NIX4.13
Net-(NIX4-~{A}): length 0
  Bottom w0.2: NIX4.2 219,61.46 arc(219,61.46) 219,61.46 219,61.47
Net-(Q1-B): length 4.3
  Top w0.2: v1(136.2,18) R13.1
  Bottom w0.2: v1(136.2,18) 137.32,16.88 arc(137.68,16.35) 137.8,15.72 Q1.2
Net-(Q1-C): length 86.2
  Top w0.2: Q1.3 139.07,16.4 arc(139.01,16.7) 138.84,16.97 arc(138.57,17.14) 138.27,17.2 130.65,17.2 arc(129.86,17.04) 129.2,16.6 arc(128.76,15.94) 128.6,15.15 128.6,9.62 arc(128.52,9.23) 128.3,8.9 arc(127.97,8.68) 127.58,8.6 126.9,8.6 arc(125.88,8.8) 125.02,9.38 119.39,15.01 arc(117.63,16.19) 115.55,16.6 103.25,16.6 arc(101.17,16.19) 99.41,15.01 95.99,11.59 arc(94.23,10.41) 92.15,10 89.33,10 arc(89.02,10.06) 88.77,10.23 arc(88.6,10.49) 88.54,10.79 R12.2 ; v1(77.8,12) 88.28,12
  Bottom w0.2: U1.33 71,10.86 arc(71.03,10.99) 71.1,11.1 arc(71.21,11.17) 71.34,11.2 75.43,11.2 arc(75.96,11.3) 76.4,11.6 76.45,11.65 arc(76.84,11.91) 77.3,12 v1(77.8,12)
Net-(Q2-B): length 10
  Top w0.2: Q2.2 137.8,10.92 arc(137.92,11.55) 138.28,12.08 v1(140.2,14) ; v1(138.6,18) R14.1
  Bottom w0.2: v1(140.2,14) 140.2,15.27 arc(139.99,16.31) 139.4,17.2 v1(138.6,18)
Net-(Q2-C): length 252
  Top w0.2: v1(148.6,16) 147.4,14.8 arc(146.07,13.91) 144.5,13.6 142.67,13.6 arc(142.24,13.51) 141.87,13.27 139.15,10.55 arc(139.09,10.46) 139.07,10.35 Q2.3 ; 53.06,4.6 56.67,4.6 arc(56.72,4.59) 56.76,4.56 56.8,4.53 ; v1(152.51,15.84) 152.51,14.83 arc(152.51,14.82) 152.52,14.81 arc(152.52,14.8) 152.54,14.8 153.06,14.8 arc(153.56,14.7) 153.98,14.42 157.25,11.15 arc(157.95,10.1) 158.2,8.85 v1(158.2,7.5) ; 56.88,4.6 141.04,4.6 arc(142.48,4.89) 143.7,5.7 arc(144.51,6.92) 144.8,8.36 144.8,8.66 arc(144.52,10.08) 143.71,11.29 142.62,12.38
  Bottom w0.2: v1(148.6,16) 152.22,16 arc(152.33,15.98) 152.42,15.92 v1(152.51,15.84) ; U2.28 195,6.85 arc(194.95,6.62) 194.82,6.43 arc(194.63,6.3) 194.4,6.25 190.43,6.25 arc(189.62,6.41) 188.92,6.87 arc(188.23,7.34) 187.42,7.5 172.77,7.5 arc(171.13,7.18) 169.75,6.25 arc(168.37,5.32) 166.73,5 163.77,5 arc(162.13,5.32) 160.75,6.25 160.42,6.58 arc(159.4,7.26) v1(158.2,7.5) 112.65,7.5 110.88,7.5 arc(110.07,7.34) 109.37,6.88 108.75,6.25 arc(107.37,5.32) 105.73,5 104.27,5 arc(102.63,5.32) 101.25,6.25 arc(99.87,7.18) 98.23,7.5 75.85,7.5 arc(75.53,7.56) 75.25,7.75 arc(75.06,8.03) 75,8.35 U1.28
Net-(Q3-B): length 9.8
  Top w0.2: v1(131.4,18) R15.1
  Bottom w0.2: Q3.2 132.2,10.92 arc(132.08,11.55) 131.72,12.08 130.48,13.32 arc(130.12,13.85) 130,14.47 130,15.8 arc(130.15,16.54) 130.57,17.17 v1(131.4,18)
Net-(Q3-C): length 157.7
  Top w0.2: v1(139.8,12.4) 140.85,13.45 ; v1(152.53,13.45) 152.53,12.41 arc(152.53,12.41) 152.53,12.4 arc(152.53,12.4) 152.53,12.4 153.16,12.4 arc(153.75,12.28) 154.25,11.95 155.41,10.79 arc(156.14,9.69) 156.4,8.4 v1(156.4,7) ; v1(194.2,7) 194.2,6.3 arc(194.07,5.65) 193.71,5.11 193.7,5.1 arc(193.15,4.73) 192.49,4.6 v1(191.6,4.6)
  Bottom w0.2: v1(191.6,4.6) 190.7,4.6 arc(189.87,4.77) 189.16,5.24 188.8,5.6 arc(187.69,6.34) 186.39,6.6 172.76,6.6 arc(171.32,6.31) 170.1,5.5 arc(168.88,4.69) 167.44,4.4 163.69,4.4 arc(161.99,4.74) 160.55,5.7 160.26,5.99 arc(159.14,6.74) 157.83,7 v1(156.4,7) 113.38,7 111.29,7 arc(110.33,6.81) 109.51,6.26 109,5.75 arc(107.62,4.82) 105.98,4.5 104.02,4.5 arc(102.38,4.82) 101,5.75 arc(99.62,6.68) 97.98,7 75.99,7 arc(75.31,7.14) 74.72,7.52 74.49,7.76 arc(74.28,8.08) 74.2,8.46 U1.29 ; v1(139.8,12.4) 135.06,12.4 arc(134.45,12.28) 133.94,11.94 133.9,11.9 arc(133.58,11.42) 133.47,10.85 Q3.3 ; v1(152.53,13.45) 152.46,13.52 arc(152.37,13.58) 152.27,13.6 141.11,13.6 arc(141.01,13.58) 140.92,13.52 140.85,13.45 ; v1(194.2,7) U2.29
  vias: v1(140.8,13.4)
Net-(Q4-B): length 4.3
  Top w0.2: v1(133.8,18) R16.1
  Bottom w0.2: Q4.2 132.2,15.72 arc(132.32,16.35) 132.68,16.88 v1(133.8,18)
Net-(Q4-C): length 179
  Top w0.2: v1(186.8,5.8) 190.95,5.8 arc(191.27,5.86) 191.55,6.05 191.55,6.05 arc(191.74,6.33) 191.8,6.65 v1(191.8,7) ; 163.07,3.2 162.18,3.2 arc(161.34,3.37) 160.64,3.84 160.47,4 arc(159.88,4.89) 159.68,5.93 v1(159.68,9.8) ; v1(154.2,6.5) 154.2,9.32 arc(154.15,9.58) 154,9.8 arc(153.78,9.95) 153.52,10 R9.2 v1(152.52,11)
  Bottom w0.2: v1(159.68,9.8) 142.66,9.8 ; U1.32 71.8,8.12 arc(71.92,7.5) 72.27,6.98 arc(72.8,6.62) 73.42,6.5 97.73,6.5 arc(99.37,6.18) 100.75,5.25 arc(102.13,4.32) 103.77,4 106.23,4 arc(107.87,4.32) 109.25,5.25 arc(110.63,6.18) 112.27,6.5 v1(154.2,6.5) 157.09,6.5 arc(158.85,6.15) 160.35,5.15 arc(161.85,4.15) 163.61,3.8 168.19,3.8 arc(169.49,4.06) 170.6,4.8 arc(171.71,5.54) 173.01,5.8 v1(186.8,5.8) ; v1(152.52,11) 144.18,11 arc(142.35,11.36) 140.8,12.4 arc(139.25,13.44) 137.42,13.8 135.59,13.8 arc(134.78,13.96) 134.09,14.42 Q4.3 ; v1(191.8,7) U2.32
Net-(U1-DATAOUT): length 121.6
  Bottom w0.2: U1.23 79,8.84 arc(79.01,8.8) 79.03,8.77 79.4,8.4 arc(79.84,8.1) 80.37,8 92,8 arc(94.08,8.41) 95.84,9.59 105.93,19.68 arc(107.69,20.86) 109.78,21.27 156.67,21.27 arc(158.76,20.86) 160.52,19.68 163.11,17.09 arc(164.87,15.91) 166.95,15.5 170.75,15.5 arc(172.83,15.09) 174.59,13.91 177.91,10.59 arc(179.67,9.41) 181.75,9 190.79,9 arc(190.87,8.98) 190.94,8.94 U2.33
Net-(U1-HV11): length 9.4
  Top w0.2: R5.1 73.6,25.34 arc(73.63,25.21) 73.7,25.1 73.8,25
  Bottom w0.2: U1.1 71,23.38 arc(71.08,23.77) 71.3,24.1 71.9,24.7 arc(72.23,24.92) 72.62,25 73.75,25
Net-(U1-HV14): length 9.1
  Top w0.2: R6.1 76.4,25.34 arc(76.37,25.21) 76.3,25.1 76.2,25
  Bottom w0.2: U1.4 73.4,22.03 arc(73.5,22.56) 73.8,23 arc(74.24,23.3) 74.77,23.4 74.8,23.4 arc(75.35,23.51) 75.82,23.82 75.98,23.98 arc(76.18,24.28) 76.25,24.62 76.25,25
Net-(U2-HV11): length 9.4
  Top w0.2: R7.1 193.6,25.34 arc(193.63,25.21) 193.7,25.1 193.8,25
  Bottom w0.2: 193.75,25 192.34,25 arc(192.21,24.97) 192.1,24.9 191.5,24.3 arc(191.13,23.75) 191,23.09 U2.1
Net-(U2-HV14): length 9.3
  Top w0.2: 196.2,24.8 196.3,24.9 arc(196.37,25.01) 196.4,25.14 R8.1
  Bottom w0.2: 196.25,25 196.25,24.72 arc(196.2,24.47) 196.06,24.26 195.82,24.02 arc(195.35,23.71) 194.8,23.6 194.77,23.6 arc(194.24,23.5) 193.8,23.2 arc(193.5,22.76) 193.4,22.23 U2.4

## Copper pours and planes (outline as drawn; the poured copper is in the pictures)
GND on Top: 0,90 270,90 270,0 0,0
GND on Bottom: 0,90 270,90 270,0 0,0

Small or netless copper shapes (teardrops, artwork), in the pictures only: 117 on Top, 144 on Bottom

## Text on the board
B.Silkscreen: Ferinix | Created By | UwU
F.Silkscreen: Hour | Minute | 12V to 5V | 12V Supply / 0.5A Min | ~18V to 12V | ZIN-70 Clock V2 / By Ferinix | Powered by an RP2040, / NCH8200HV, and HV5122s
